# KiCad board pandore.kicad_pcb (continued)
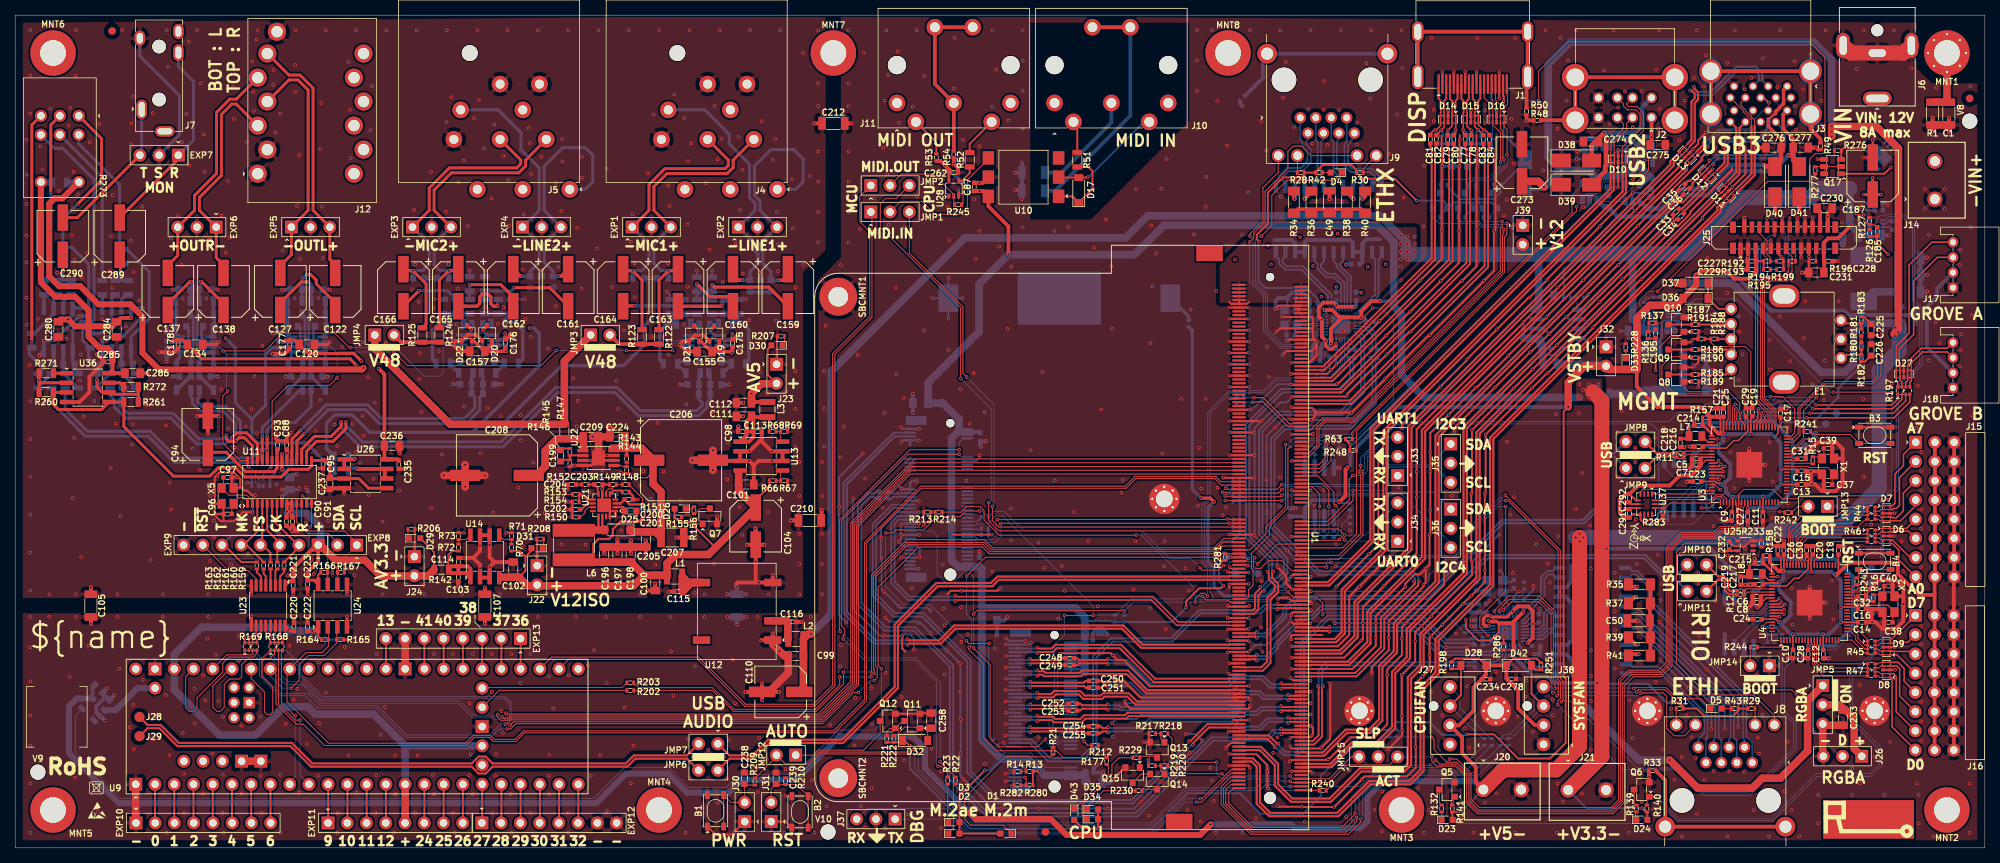
[diagram p0: board, top side]
## Nets (continued)
/Internal Ethernet/PAIR1-: J8.4 T2.18
/Internal Ethernet/PAIR2+: J8.5 T2.19
/Internal Ethernet/PAIR2-: J8.6 T2.20
/Internal Ethernet/PAIR3+: J8.7 T2.23
/Internal Ethernet/PAIR3-: J8.8 T2.24
/M.2/AE.PET0+: C256.1 J19.35
/M.2/AE.PET0-: C257.1 J19.37
/M.2/M.PET0+: C255.1 J13.49
/M.2/M.PET0-: C254.1 J13.47
/M.2/M.PET1+: C253.1 J13.37
/M.2/M.PET1-: C252.1 J13.35
/M.2/M.PET2+: C251.1 J13.25
/M.2/M.PET2-: C250.1 J13.23
/M.2/M.PET3+: C249.1 J13.13
/M.2/M.PET3-: C248.1 J13.11
/Mgmt MCU/ENC.A: C226.1 R182.1 U3.39
/Mgmt MCU/ENC.B: C225.1 R183.1 U3.38
/Mgmt MCU/ENC.BLUE: Q10.1 R191.1 U3.58
/Mgmt MCU/ENC.BTN: R184.1 R188.2 U3.40
/Mgmt MCU/ENC.GREEN: Q9.1 R190.1 U3.57
/Mgmt MCU/ENC.RED: Q8.1 R189.1 U3.54
/Mgmt MCU/GROVEA.PRIM: R197.1 U3.52
/Mgmt MCU/GROVEA.SEC: R197.2 U3.49
/Mgmt MCU/GROVEA.V+: J17.3 PTC1.2
/Mgmt MCU/GROVEB.PRIM: R197.3 U3.48 U3.56
/Mgmt MCU/GROVEB.SEC: R197.4 U3.47 U3.55
/Mgmt MCU/GROVEB.V+: J18.3 PTC2.2
/Mgmt MCU/IMU.IRQ1: U3.79 U37.4
/Mgmt MCU/IMU.IRQ2: U3.4 U37.9
/Mgmt MCU/IMU.MISO: U3.1 U37.1
/Mgmt MCU/IMU.MOSI: U3.80 U37.14
/Mgmt MCU/IMU.SCK: U3.3 U37.13
/Mgmt MCU/IMU.~{SS}: R283.2 U3.2 U37.12
/Mgmt MCU/MCU/__USB.D+: R11.3 U3.67
/Mgmt MCU/MCU/__USB.D-: R11.4 U3.66
/Mgmt MCU/MCU/_USB.D+: JMP9.2 R11.2
/Mgmt MCU/MCU/_USB.D-: JMP8.2 R11.1
/Mgmt MCU/MCU/GPIO0: R236.1 U3.77
/Mgmt MCU/MCU/GPIO1: U3.78
/Mgmt MCU/MCU/GPIO12: U3.11
/Mgmt MCU/MCU/GPIO13: U3.12
/Mgmt MCU/MCU/GPIO14: U3.13
/Mgmt MCU/MCU/GPIO16: U3.16
/Mgmt MCU/MCU/GPIO17: U3.17
/Mgmt MCU/MCU/GPIO18: U3.18
/Mgmt MCU/MCU/GPIO19: U3.19
/Mgmt MCU/MCU/GPIO20: U3.20
/Mgmt MCU/MCU/GPIO21: U3.21
/Mgmt MCU/MCU/GPIO22: U3.22
/Mgmt MCU/MCU/GPIO23: U3.23
/Mgmt MCU/MCU/GPIO24: U3.25
/Mgmt MCU/MCU/GPIO25: U3.26
/Mgmt MCU/MCU/GPIO26: U3.27
/Mgmt MCU/MCU/GPIO27: U3.28
/Mgmt MCU/MCU/GPIO28: U3.36
/Mgmt MCU/MCU/GPIO29: U3.37
/Mgmt MCU/MCU/GPIO42: U3.53
/Mgmt MCU/MCU/QSPI.D0: U3.72 U5.5
/Mgmt MCU/MCU/QSPI.D1: U3.74 U5.2
/Mgmt MCU/MCU/QSPI.D2: U3.73 U5.3
/Mgmt MCU/MCU/QSPI.D3: U3.70 U5.7
/Mgmt MCU/MCU/QSPI.SCK: U3.71 U5.6
/Mgmt MCU/MCU/QSPI.~{CS}: R231.1 R236.2 R238.2 U5.1
/Mgmt MCU/MCU/VCORE: C27.2 C29.2 C31.2 C218.2 L7.2 U3.10 U3.32 U3.51 U3.65
/Mgmt MCU/RGBA.D: R233.1 U3.14 U25.2
/Mgmt MCU/RGBA.O: J26.2 U25.4
/Mgmt MCU/SDISP.MOSI: J25.14 R199.2 U3.44
/Mgmt MCU/SDISP.SCK: J25.13 U3.43
/Mgmt MCU/SDISP.~{LATCH}: J25.10 U3.46
/Mgmt MCU/SDISP.~{RST}: J25.9 U3.45
/Mgmt MCU/SDISP.~{SS}: J25.8 U3.42
/MIDI/MIDI.RX: JMP1.2 U10.4
/MIDI/MIDI.TX: JMP2.2 R245.1 U28.2
/Real-Time MCU/MCU/__USB.D+: R12.3 U4.67
/Real-Time MCU/MCU/__USB.D-: R12.4 U4.66
/Real-Time MCU/MCU/_USB.D+: JMP11.2 R12.2
/Real-Time MCU/MCU/_USB.D-: JMP10.2 R12.1
/Real-Time MCU/MCU/GPIO0: R237.1 U4.77
/Real-Time MCU/MCU/GPIO1: U4.78
/Real-Time MCU/MCU/GPIO2: U4.79
/Real-Time MCU/MCU/GPIO3: U4.80
/Real-Time MCU/MCU/GPIO4: U4.1
/Real-Time MCU/MCU/GPIO5: U4.2
/Real-Time MCU/MCU/GPIO6: U4.3
/Real-Time MCU/MCU/GPIO7: U4.4
/Real-Time MCU/MCU/GPIO8: U4.6
/Real-Time MCU/MCU/GPIO9: U4.7
/Real-Time MCU/MCU/GPIO10: U4.8
/Real-Time MCU/MCU/GPIO11: U4.9
/Real-Time MCU/MCU/GPIO16: U4.16
/Real-Time MCU/MCU/GPIO17: U4.17
/Real-Time MCU/MCU/GPIO18: U4.18
/Real-Time MCU/MCU/GPIO19: U4.19
/Real-Time MCU/MCU/GPIO24: U4.25
/Real-Time MCU/MCU/GPIO25: U4.26
/Real-Time MCU/MCU/GPIO26: U4.27
/Real-Time MCU/MCU/GPIO27: U4.28
/Real-Time MCU/MCU/GPIO28: U4.36
/Real-Time MCU/MCU/GPIO29: U4.37
/Real-Time MCU/MCU/GPIO30: U4.38
/Real-Time MCU/MCU/GPIO31: U4.39
/Real-Time MCU/MCU/GPIO32: U4.40
/Real-Time MCU/MCU/GPIO33: U4.42
/Real-Time MCU/MCU/GPIO34: U4.43
/Real-Time MCU/MCU/GPIO35: U4.44
/Real-Time MCU/MCU/GPIO36: U4.45
/Real-Time MCU/MCU/GPIO37: U4.46
/Real-Time MCU/MCU/GPIO38: U4.47
/Real-Time MCU/MCU/GPIO39: U4.48
/Real-Time MCU/MCU/QSPI.D0: U4.72 U6.5
/Real-Time MCU/MCU/QSPI.D1: U4.74 U6.2
/Real-Time MCU/MCU/QSPI.D2: U4.73 U6.3
/Real-Time MCU/MCU/QSPI.D3: U4.70 U6.7
/Real-Time MCU/MCU/QSPI.SCK: U4.71 U6.6
/Real-Time MCU/MCU/QSPI.~{CS}: R232.1 R237.2 R239.2 U6.1
/Real-Time MCU/MCU/VCORE: C28.2 C30.2 C32.2 C219.2 L8.2 U4.10 U4.32 U4.51 U4.65
/Real-Time MCU/RTIO.AIO0: R46.4 U4.49
/Real-Time MCU/RTIO.AIO1: R46.3 U4.52
/Real-Time MCU/RTIO.AIO2: R46.2 U4.53
/Real-Time MCU/RTIO.AIO3: R46.1 U4.54
/Real-Time MCU/RTIO.AIO4: R44.4 U4.55
/Real-Time MCU/RTIO.AIO5: R44.3 U4.56
/Real-Time MCU/RTIO.AIO6: R44.2 U4.57
/Real-Time MCU/RTIO.AIO7: R44.1 U4.58
/Real-Time MCU/RTIO.DIO0: R47.4 U4.11
/Real-Time MCU/RTIO.DIO1: R47.3 U4.12
/Real-Time MCU/RTIO.DIO2: R47.2 U4.13
/Real-Time MCU/RTIO.DIO3: R47.1 U4.14
/Real-Time MCU/RTIO.DIO4: R45.4 U4.20
/Real-Time MCU/RTIO.DIO5: R45.3 U4.21
/Real-Time MCU/RTIO.DIO6: R45.2 U4.22
/Real-Time MCU/RTIO.DIO7: R45.1 U4.23
/USB ports/_USB3HIGH.SSTX+: C36.1 D12.4 J3.18
/USB ports/_USB3HIGH.SSTX-: C35.1 D12.5 J3.17
/USB ports/_USB3LOW.SSTX+: C34.1 D12.1 J3.9
/USB ports/_USB3LOW.SSTX-: C33.1 D12.2 J3.8
/USB ports/USB2H.VUSB: C268.2 C275.2 D39.2 J2.1 U30.1
/USB ports/USB2L.VUSB: C266.2 C274.2 D38.2 J2.5 U29.1
/USB ports/USB3H.VUSB: C272.2 C277.2 D41.2 J3.10 U32.1
/USB ports/USB3L.VUSB: C270.2 C276.2 D40.2 J3.1 U31.1
EARTH: C1.2 MNT1.1 R1.1
VPHANTOM: JMP3.1 JMP4.1 R147.2
VSTBY: C2.2 C3.2 C5.2 C7.2 C9.2 C11.2 C13.2 C15.2 C17.2 C19.2 C21.2 C23.2 C25.2 C216.2 C227.2 C229.2 C291.2 C292.2 D32.1 D33.A D34.A D35.A D36.2 D43.A J25.5 J32.2 PTC1.1 PTC2.1 R8.1 R9.1 R157.2 R180.1 R181.1 R192.1 R193.1 R221.1 R222.1 R227.2 R231.2 R246.1 R283.1 U2.8 U3.5 U3.15 U3.24 U3.29 U3.41 U3.50 U3.59 U3.60 U3.64 U3.68 U3.69 U3.76 U5.8 U37.5 U37.8
Net-(B1-Pad3): B1.3 B1.4 C238.2 J30.2 R209.1
Net-(B2-Pad3): B2.3 B2.4 C239.2 J31.2 R210.1
Net-(B3-Pad3): B3.3 B3.4 R241.1
Net-(B4-Pad3): B4.3 B4.4 R243.1
Net-(BAT1-+): BAT1.1 R284.2
Net-(C39-Pad2): C39.2 R15.2 X1.1
Net-(C40-Pad2): C40.2 R16.2 X2.1
Net-(C49-Pad2): C49.2 R34.2 R36.2 R38.2 R40.2
Net-(C50-Pad2): C50.2 R35.2 R37.2 R39.2 R41.2
Net-(C94-+): C93.2 C94.1 U11.22
Net-(C167-Pad1): C167.1 C168.1 C169.2
Net-(C170-Pad1): C170.1 C171.2 C172.1
Net-(C180-Pad2): C180.2 C181.2 C182.2 C185.2 L4.2 R126.1 R131.1
Net-(C183-Pad2): C183.2 R128.2
Net-(C190-Pad2): C190.2 R135.2
Net-(C192-Pad2): C192.2 C193.2 C194.2 C195.2 L5.2 R136.1 R138.1
Net-(C204-Pad2): C204.2 R152.2
Net-(C233-Pad2): C233.2 J26.1 JMP5.2
Net-(D1-PadC): D1.C R21.2
Net-(D2-PadC): D2.C R22.2
Net-(D3-PadC): D3.C R23.2
Net-(D4-PadA): D4.A R42.1
Net-(D5-PadA): D5.A R43.1
Net-(D6-Pad1): D6.1 J15.13 R46.8
Net-(D6-Pad2): D6.2 J15.16 R46.7
Net-(D6-Pad4): D6.4 J15.19 R46.6
Net-(D6-Pad5): D6.5 J15.22 R46.5
Net-(D7-Pad1): D7.1 J15.1 R44.8
Net-(D7-Pad2): D7.2 J15.4 R44.7
Net-(D7-Pad4): D7.4 J15.7 R44.6
Net-(D7-Pad5): D7.5 J15.10 R44.5
Net-(D8-Pad1): D8.1 J16.22 R47.5
Net-(D8-Pad2): D8.2 J16.19 R47.6
Net-(D8-Pad4): D8.4 J16.16 R47.7
Net-(D8-Pad5): D8.5 J16.13 R47.8
Net-(D9-Pad1): D9.1 J16.10 R45.5
Net-(D9-Pad2): D9.2 J16.7 R45.6
Net-(D9-Pad4): D9.4 J16.4 R45.7
Net-(D9-Pad5): D9.5 J16.1 R45.8
Net-(D17-A): D17.2 J10.5 U10.2
Net-(D17-C): D17.1 R51.2 U10.1
Net-(D18-C): D18.1 J1.18 R58.1 R60.1 R62.1
Net-(D23-PadC): D23.C R132.2
Net-(D24-PadC): D24.C R139.2
Net-(D25-A): D25.2 L6.2 U21.13 U21.14
Net-(D26-PadC): D26.C R156.2
Net-(D28-A): D28.2 J27.3 R198.2 R200.2
Net-(D29-PadC): D29.C R206.2
Net-(D30-PadC): D30.C R207.2
Net-(D31-PadC): D31.C R208.2
Net-(D32-A): C258.2 D32.2 Q11.1 R222.2
Net-(D33-PadC): D33.C R228.2
Net-(D34-PadC): D34.C R229.2
Net-(D35-PadC): D35.C R230.2
Net-(D36-C): D36.1 D37.1 E1.5
Net-(D42-A): D42.2 J38.3 R249.2 R251.2
Net-(D43-PadC): D43.C R177.1
Net-(E1-EA): E1.A R180.2 R182.2
Net-(E1-EB): E1.B R181.2 R183.2
Net-(E1-LB): E1.4 R187.2
Net-(E1-LG): E1.2 R186.2
Net-(E1-LR): E1.1 R185.2
Net-(E1-SO): E1.3 R188.1
Net-(J1-CEC): D16.5 J1.13
Net-(J1-DDC.CLK): D16.4 J1.15 Q2.3 R58.2
Net-(J1-DDC.DATA): D16.2 J1.16 Q3.3 R60.2
Net-(J1-HotPlugDetect): D16.1 J1.19 Q4.3 R62.2
Net-(J1-SHD): J1.0 R50.2
Net-(J2A-SHD): J2.9 R48.2
Net-(J3A-SHD): J3.19 R49.2
Net-(J6-TIP): J6.1 J14.2 Q16.5 Q16.6 Q16.7 Q16.8 Q16.9 Q17.1
Net-(J8-LEDL_A): J8.AL R31.2
Net-(J8-LEDL_C): J8.CL U8.25
Net-(J8-LEDR_A): J8.AR R29.2
Net-(J8-LEDR_C): J8.CR U8.26
Net-(J8-SHD): J8.SH R33.2
Net-(J9-LEDL_A): J9.AL R30.2
Net-(J9-LEDL_C): J9.CL U7.25
Net-(J9-LEDR_A): J9.AR R28.2
Net-(J9-LEDR_C): J9.CR U7.26
Net-(J9-SHD): J9.SH R32.2
Net-(J10-CSRC): J10.4 R51.1
Net-(J10-GND): C85.1 J10.G
Net-(J10-SHIELD): C86.1 J10.2
Net-(J11-CSINK): J11.4 R53.1
Net-(J11-CSRC): J11.5 R52.1
Net-(J11-GND-Pad2): J11.2 J11.G R54.2
Net-(J13-CFG1): J13.69 R13.2 R14.1
Net-(J13-PE.~{CLKREQ}): J13.52 R212.1
Net-(J13-SUSCLK): J13.68 R279.2
Net-(J13-VIOCFG): J13.73 R280.2 R282.2
Net-(J13-~{LED1}): J13.10 R21.1
Net-(J17-D0): D27.1 J17.1 R197.8
Net-(J17-D1): D27.2 J17.2 R197.7
Net-(J18-D0): D27.4 J18.1 R197.6
Net-(J18-D1): D27.5 J18.2 R197.5
Net-(J19-PE.~{CLKREQ0}): J19.53 R213.1 R214.2
Net-(J19-SUSCLK): J19.50 R278.2
Net-(J19-~{LED1}): J19.6 R22.1
Net-(J19-~{LED2}): J19.16 R23.1
Net-(J19-~{W_DISABLE1}): J19.56 R215.2
Net-(J19-~{W_DISABLE2}): J19.54 R216.2
Net-(J25-BS1): J25.6 R192.2 R194.2
Net-(J25-BS2): J25.7 R193.2 R195.2
Net-(J25-D2): J25.15 R199.1
Net-(J25-IREF): J25.21 R196.2
Net-(J25-VCOMH): C230.2 J25.22
Net-(J27-Pad4): J27.4 R201.2
Net-(J38-Pad4): J38.4 R250.2
Net-(JMP3-Pad2): JMP3.2 R122.2 R123.2
Net-(JMP4-Pad2): JMP4.2 R124.2 R125.2
Net-(JMP13-Pad2): JMP13.2 R242.1
Net-(JMP14-Pad2): JMP14.2 R244.1
Net-(Q1-D): Q1.3 R55.1 R55.2 R55.3 R55.4 R56.1 R56.2 R56.3 R56.4
Net-(Q1-G): Q1.1 R176.2
Net-(Q5-D): Q5.3 R132.1
Net-(Q5-G): Q5.1 R141.2 U19.5
Net-(Q6-D): Q6.3 R139.1
Net-(Q6-G): Q6.1 R140.2 U20.5
Net-(Q7-D): Q7.3 R156.1
Net-(Q7-G): Q7.1 R155.2 U21.4
Net-(Q8-D): Q8.3 R185.1
Net-(Q9-D): Q9.3 R186.1
Net-(Q10-D): Q10.3 R187.1
Net-(Q11-D): Q11.3 Q12.1 R221.2
Net-(Q12-D): JMP12.1 Q12.3
Net-(Q13-D): Q13.3 Q15.1 R229.1
Net-(Q13-G): Q13.1 R217.1 R218.2
Net-(Q14-D): Q14.3 R230.1
Net-(Q14-G): Q14.1 R219.1 R220.2
Net-(Q14-S): Q14.2 Q15.3
Net-(Q16-G): Q16.4 Q17.3 R276.1
Net-(Q17A-B1): Q17.2 Q17.5 Q17.6 R277.1
Net-(R169-Pad7): R169.7 R171.6
Net-(R169-Pad8): R169.8 R171.5
Net-(R264-Pad1): R264.1 R273.2
Net-(R269-Pad1): R269.1 R273.5
Net-(T1A-TCT): C51.2 T1.3 T1.4 T1.9 T1.10
Net-(T1A-TXCT): R40.1 T1.22
Net-(T1B-RXCT): R38.1 T1.21
Net-(T1C-TXCT): R36.1 T1.16
Net-(T1D-RXCT): R34.1 T1.15
Net-(T2A-TCT): C52.2 T2.3 T2.4 T2.9 T2.10
Net-(T2A-TXCT): R41.1 T2.22
Net-(T2B-RXCT): R39.1 T2.21
Net-(T2C-TXCT): R37.1 T2.16
Net-(T2D-RXCT): R35.1 T2.15
Net-(U1A-TCP0_HPD): R211.1 U1.187
Net-(U1A-TCP1_HPD): R285.1 U1.185
Net-(U1A-~{PROCHOT}): R177.2 U1.117
Net-(U1B-VBAT): R284.1 U1.115
Net-(U3A-VREG.AVDD): C214.2 R157.1 U3.61
Net-(U3A-VREG.LX): L7.1 U3.63
Net-(U3B-QSPI.~{SS}²(PU)|F0:QMI.~{CS0}): R234.2 R238.1 U3.75
Net-(U3B-SWCLK¹): TP1.1 U3.33
Net-(U3B-SWDIO¹): TP3.1 U3.34
Net-(U3B-XIN): C37.2 U3.30 X1.3
Net-(U3B-XOUT): R15.1 U3.31
Net-(U4A-VREG.AVDD): C215.2 R158.1 U4.61
Net-(U4A-VREG.LX): L8.1 U4.63
Net-(U4B-QSPI.~{SS}²(PU)|F0:QMI.~{CS0}): R235.2 R239.1 U4.75
Net-(U4B-SWCLK¹): TP2.1 U4.33
Net-(U4B-SWDIO¹): TP4.1 U4.34
Net-(U4B-XIN): C38.2 U4.30 X2.3
Net-(U4B-XOUT): R16.1 U4.31
Net-(U7-CKXTAL1): C74.2 R24.2 U7.28 X3.3
Net-(U7-CKXTAL2): C73.2 R24.1 U7.29 X3.1
Net-(U7-LED0): D4.C U7.27
Net-(U7-RSET): R26.2 U7.31
Net-(U7-~{ISOLATE}): R19.1 U7.20
Net-(U8-CKXTAL1): C76.2 R25.2 U8.28 X4.3
Net-(U8-CKXTAL2): C75.2 R25.1 U8.29 X4.1
Net-(U8-LED0): D5.C U8.27
Net-(U8-RSET): R27.2 U8.31
Net-(U8-~{ISOLATE}): R20.1 U8.20
Net-(U9-ON/OFF): R203.1 U9.53
Net-(U9-~{PROGRAM}): R202.1 U9.52
Net-(U11-AD0): R64.2 R65.1 U11.13
Net-(U11-XTI): C97.2 U11.2 X5.3
Net-(U11-XTO): C96.2 U11.1 X5.1
Net-(U12-VIN+): C116.2 L2.2 U12.3
Net-(U12-VOUT+): C115.2 L1.1 U12.8
Net-(U13-EN): R66.2 R67.1 U13.5
Net-(U13-FB): R68.2 R69.1 U13.8
Net-(U13-OUT): C98.2 C111.2 C113.2 L3.1 R68.1 U13.1
Net-(U14-EN): R70.2 R71.1 U14.5
Net-(U14-FB): R72.2 R73.1 U14.8
Net-(U14-OUT): C103.2 C114.2 R72.1 R142.1 U14.1
Net-(U19-BST): C179.1 U19.6
Net-(U19-COMP): C184.2 R128.1 U19.4
Net-(U19-FB): C185.1 R126.2 R127.1 U19.3
Net-(U19-NC(SW)): C179.2 L4.1 U19.7 U19.9
Net-(U20-BST): C189.1 U20.6
Net-(U20-COMP): C191.2 R135.1 U20.4
Net-(U20-FB): C195.1 R136.2 R137.1 U20.3
Net-(U20-NC(SW)): C189.2 L5.1 U20.7 U20.9
Net-(U21-COMP): C203.2 R152.1 U21.8
Net-(U21-EN_UVLO_SYNC): R148.2 R149.1 U21.6
Net-(U21-FB): R153.2 R154.1 U21.9
Net-(U21-MODE): R150.1 U21.11
Net-(U21-RT): R151.1 U21.5
Net-(U21-SS): C202.2 U21.10
Net-(U21-VCC): C201.2 U21.2
Net-(U22-EN): R143.2 R144.1 U22.5
Net-(U22-FB): C199.1 R145.2 R146.1 U22.2
Net-(U23-INA): R159.1 U23.2
Net-(U23-INB): R160.1 U23.3
Net-(U23-INC): R161.1 U23.4
Net-(U23-IND): R162.1 U23.5
Net-(U23-INE): R169.5 R171.8 U23.11
Net-(U23-INF): R169.6 R171.7 U23.10
Net-(U23-OUTA): R168.5 R170.8 U23.15
Net-(U23-OUTB): R168.6 R170.7 U23.14
Net-(U23-OUTC): R168.7 R170.6 U23.13
Net-(U23-OUTD): R168.8 R170.5 U23.12
Net-(U23-OUTE): R163.1 U23.6
Net-(U26A-IN-): R204.1 U26.1 U26.2
Net-(U26B-IN-): R205.1 U26.6 U26.7
Net-(U27-EN): R223.2 R224.1 U27.5
Net-(U27-FB): R225.2 R226.1 U27.8
Net-(U27-OUT): C260.2 C261.2 R225.1 R227.1 U27.1
Net-(U28A-Y): R52.2 R245.2 U28.4
Net-(U33-OUT): C263.2 U9.59 U33.1
Net-(U34A-IN+): C282.1 R252.2 R255.2 U34.3
Net-(U34A-IN-): C281.2 R253.1 R254.2 U34.2
Net-(U34A-OUT): C281.1 R253.2 R273.1 R274.1 U34.1
Net-(U34A-V+): C279.2 C280.2 C283.2 C284.2 C285.2 C286.2 R273.8 R275.1 U34.8 U35.8 U36.8
Net-(U34B-IN+): R264.2 U34.5
Net-(U34B-IN-): R262.1 R263.2 U34.6
Net-(U34B-OUT): R265.1 U34.7
Net-(U35A-IN+): C287.1 R257.2 R258.2 U35.3
Net-(U35A-IN-): C288.2 R256.2 R259.1 U35.2
Net-(U35A-OUT): C288.1 R259.2 R270.1 R273.4 U35.1
Net-(U35B-IN+): R269.2 U35.5
Net-(U35B-IN-): R266.2 R267.1 U35.6
Net-(U35B-OUT): R268.1 U35.7
Net-(U36A-IN-): C282.2 R252.1 R260.2 R263.1 R271.2 R273.3 U36.2
Net-(U36A-OUT): R271.1 U36.1
Net-(U36B-IN-): C287.2 R258.1 R261.2 R266.1 R272.2 R273.6 U36.6
Net-(U36B-OUT): R272.1 U36.7

Pads without a net: J1 14; J4 RS SS TS; J5 RS SS TS; J7 RS TS; J10 1 3; J11 1 3; J12 RSB RST SSB SST TSB TST; J13 6 8 20 22 24 26 28 30 34 36 40 42 44 46 48 56 58 67; J19 17 19 20 21 22 23 32 34 36 38 40 42 44 46 48 59 61 62 64 65 66 67 68 70 71 73; J25 4; R169 1 2; R171 3 4; U1 9 91 93 104 106 108 127 145 147 149 157 172 173 174 175 176 177 178 179 180 184 186 190 191 192 193 196 198 202 204 208 210 214 216 220 221 222 223 226 227 228 229 232 233 234 235 238 239 240 241 244 245 246 247 MP; U9 25 36 37 38 39 48 49 54 55 56 60 61 62 64 65; U10 3; U12 14; U21 12 15; U25 1; U28 1; U33 3; U37 2 3 10 11

## Via types
v1: diameter 0.458, hole 0.254, Top to Bottom, 2215 vias
v2: diameter 0.5, hole 0.254, Top to Bottom, 2 vias

## Routing (per net, layer and track width the routed paths; a pad name or vN(x,y) marks a point on that pad's centre or on a via; arc(x,y) is an arc through that point)
AV3P3: length 56.1
  Top w0.25: U24.8 40,36.05 R166.1 ; R142.2 55.3,39.07 D29.A ; 43.43,38 43.45,37.98 R167.1
  Top w0.4: C221.2 36.22,35.25 U23.1 ; v1(36.52,44.32) 36.41,44.42 v1(35.87,44.42) ; v1(36.52,44.32) U11.10 U11.9 35.87,43.72 ; v1(36.52,44.32) 36.52,43.77 ; C223.2 39.45,35.35 U24.8
  Top w0.5: C223.2 38.6,36.45 40,37.85 EXP9.1 39.75,40 36.7,36.95 C221.2
  Top w1: R142.2 54.47,35.92 48.25,35.92 46.17,38 42.3,38 40.3,40 EXP9.1
  Bottom w0.25: R64.1 36.27,45.35 C92.2
  Bottom w0.4: v1(35.87,44.42) 35.87,44.94 C92.2 36.52,45.05 v1(36.52,44.32)
  Bottom w1: 40.3,40 40.3,42.4 38.5,44.2 35.9,44.2
AV5: length 240.5
  Top w0.25: D30.A 99.32,65.87 99.32,62.52 J23.2
  Top w0.4: 20.85,67.05 v1(20.63,66.83) 20.85,67.05 ; 20.85,67.05 C178.2 ; 20.85,67.05 C178.2 ; C178.2 22.2,67.05 ; C178.2 22.2,67.05 ; 22.2,67.05 C134.2 ; 22.2,67.05 C134.2 ; C88.2 35.94,52.57 35.94,52.52 35.87,52.44 U11.20 ; C134.2 22.75,66.45 24.6,64.6 44.21,64.6 v1(45.06,63.75) ; v1(45.69,64.31) 44.7,65.3 38.7,65.3 C120.2 36.95,67.05 C177.2 35.6,67.05 v1(35.38,66.83)
  Top w0.45: D22.2 60.5,67 61.9,65.6 C157.2 62.95,66.55 D20.2 ; 92,65.6 92.05,65.55 94.45,65.55 v1(94.6,65.4) 94.6,65.57 94.68,65.64 94.68,66.08 C175.2 ; C176.2 64.68,66.13 64.68,65.69 64.77,65.6 v1(64.8,65.6) 62.05,65.6 62,65.65 ; D19.2 92.95,66.5 C155.2 91.9,65.55 90.5,66.95 D21.2
  Top w0.5: C235.2 50.49,51.32 U26.8 48.74,51.62 C236.2 48.74,62.56 v1(48,63.3) ; C112.2 97.3,58.9 L3.2
  Top w0.8: R273.7 6.25,85.8 5.2,85.8 4.5,85.1 4.5,75.5 5.8,74.2 8.6,74.2 11,71.8 15.2,71.8 16.8,70.2 16.8,65.4 19,63.2 45.8,63.2 v1(46,63.4)
  Top w1: C112.2 v1(97.2,60) 98.52,61.32 100.5,61.32
  In1.Cu w0.45: 94.8,63.68 94.6,63.88 v1(94.6,65.4) ; v1(64.8,65.6) 64.8,63.7 64.82,63.68
  In1.Cu w1: 45.66,63.68 45.66,61.51 40.86,56.71 40.86,54.03 38.97,52.14 36.16,52.14
  In1.Cu w2: v1(97.2,60) 97.2,61.28 94.8,63.68 45.66,63.68
  Bottom w0.25: C89.2 35.04,50.92 34.44,50.32 34.44,49.62 R106.1 R108.1
  Bottom w0.4: 20.12,66.83 C133.2 20.12,66.83 ; 20.12,66.83 U16.3 20.12,66.83 ; U15.3 34.88,66.83 C119.2
  Bottom w0.45: U17.3 94.53,66.38 C140.2 94.7,65.65 94.6,65.55 v1(94.6,65.4) ; U18.3 64.53,66.42 C156.2 64.7,65.7 v1(64.8,65.6)
  Bottom w0.5: 35.92,52.15 35.92,51.24 C89.2
  Bottom w0.8: R273.7 8.35,87.9 R275.2
  vias: v1(35.88,52.15)
AVSS: length 323.7
  Top w0.25: 27.5,43.15 27.15,43.15 26.35,43.95 26.35,44.1 ; 27.5,43.15 C96.1 ; 27.5,43.15 28.85,43.15 30.05,44.35 v1(31.35,44.35) ; 29.7,47.75 30.25,47.2 30.6,47.2 31.21,46.59 v1(31.65,46.59) ; 29.7,47.75 29.5,47.55 X5.2 28.6,47.8 C97.1 ; 29.7,47.75 29.7,48.75 29.3,49.15 ; J23.1 100.57,63.95 100.57,67.52 R207.1 ; U22.4 73.4,50.53 R146.2 ; v1(59.24,41.61) 58.54,41.61 R73.2 ; 26.35,45.45 26.35,44.1 ; 26.35,45.45 X5.4 27.5,45.2 C96.1 ; 26.35,45.45 26.35,49.01 26.91,49.57 28.55,49.57 ; 26.35,44.1 C96.1 ; R206.1 52.75,38.53 J24.1 ; C97.1 28.6,49.52 28.55,49.57 ; C97.1 29.09,48.94 29.3,49.15 ; 28.55,49.57 28.88,49.57 29.3,49.15 ; R144.2 80.15,49.45 v1(80,49.6) ; v1(73,47.3) 72.95,47.35 C204.1 ; v1(101.9,55.7) 101.95,55.65 R69.2 ; R67.2 101.95,47.95 v1(102,47.9) ; J22.1 68.9,40.75 R208.1 ; 77.25,54.55 C209.1 ; R71.2 64.83,41.62 v1(64.81,41.6)
  Top w0.3: C201.1 v1(82,43.7) ; R149.2 C203.1 77.5,47.95 v1(77.5,47.4) U21.7 77.5,45.5 U21.17 78.5,44.5 ; C202.1 v1(72.8,44.7) ; C202.1 73.55,44.8 R154.2 v1(73,45.7) ; C202.1 73.45,44.5 73.55,44.4 R150.2 ; 78.5,44.5 U21.16 79.08,43.78 v1(79.2,43.9) 79.22,43.92 U21.1 78.5,44.5 ; v1(82.2,46) 82.17,46.03 C200.1 81.55,46.5 R151.2
  Top w0.35: U22.3 76.67,51.17 U22.9 ; U22.9 77.32,51.18 U22.6 ; U22.9 76.03,50.53 U22.4 ; U22.9 77.33,51.83 U22.7
  Top w0.4: v1(31.2,33.5) 31.18,33.52 U23.8 ; v1(26.89,66.82) 26.57,66.5 26.5,66.5 ; v1(39.88,50.11) 39.9,50.13 C95.1 ; v1(41.61,66.86) 41.25,66.5 C120.1 ; U11.8 35.22,46.41 v1(35.23,46.42) ; 26.5,66.5 C134.1 26.5,66.5 ; v1(43.8,33.5) 43.8,33.5 U24.5 ; v1(35.24,52.02) 35.22,52 U11.21 35.22,50.05 v1(35.24,50.02) ; v1(34.41,54.69) 34.41,54 C93.1 C88.1 35.84,54.17 36.12,54.45 36.12,54.53 v1(36.43,54.84) ; C221.1 v1(36.7,33.5) ; C223.1 v1(38.6,33.5)
  Top w0.45: C176.1 64.75,67.3 64.89,67.3 65.32,67.73 65.32,67.82 v1(65.4,67.9) ; C90.1 35.87,42.55 v1(36.54,41.88) 36.56,41.86 v1(37.34,41.86) 37.29,41.86 C91.1 ; D19.1 90.87,67.73 89.73,67.73 D21.1 88.16,66.95 v1(87.7,66.49) 88.65,65.55 C155.1 ; v1(95.4,67.85) 95.32,67.77 95.32,67.68 94.89,67.25 94.75,67.25 C175.1 ; C157.1 58.65,65.6 v1(57.7,66.54) 58.16,67 D22.1 59.73,67.78 60.87,67.78 D20.1
  Top w0.5: U13.3 92.18,51.11 C206.2 ; U13.3 U13.2 v1(96.94,52.39) 98.55,54 ; U13.3 v1(96.89,51.11) 97.5,50.5 ; 97.75,37.75 C104.2 ; C104.2 98.85,40.05 v1(98.9,40) ; C104.2 97.75,42.15 v1(97.7,42.2) ; C104.2 96.65,40.05 v1(96.6,40) ; v1(81.3,38.9) 81.25,38.95 C198.1 81.25,40.55 v1(81.3,40.6) ; C105.1 v1(10,34.4) ; v1(83.4,34) C100.1 v1(84.5,34.9) ; 60.47,38.3 61.36,37.41 U14.2 U14.3 v1(62.64,37.11) 63.27,37.75 ; 60.47,38.3 61.36,39.19 U14.7 U14.6 62.64,38.39 63.27,37.75 ; 60.47,38.3 C114.1 ; v1(24.04,57.02) 24.09,57.07 C94.2 ; C111.1 v1(96.1,57) ; C98.1 95.45,55.64 v1(95.48,55.67) ; C112.1 v1(96.1,58.8) ; C286.1 v1(17.5,62.7) ; v1(87.3,41) C207.1 v1(89.2,41) ; v1(79.5,40.7) C197.1 v1(79.5,38.9) ; C212.1 v1(105.5,95.7) ; 97.7,35.05 97.75,35.1 v1(97.75,37.8) ; 97.7,35.05 95.35,35.05 95.2,34.9 v1(95.2,34.5) ; 97.7,35.05 U12.7 v1(100,36) ; 63.27,37.75 C102.1 ; U36.4 8.5,58.9 9.8,60.2 9.8,62.25 C285.1 11.75,64.25 v1(10.8,65.2) ; v1(77.8,38.9) 77.75,38.95 C196.1 ; v1(86.3,33.8) 86.35,33.85 C115.1 ; v1(83.3,38.8) 83.25,38.85 C205.1 83.25,40.55 v1(83.2,40.6) ; 98.55,54 C113.1 ; 98.55,54 98.55,53.69 v1(99.87,52.37) 99.89,52.39 U13.7 U13.6 98.11,51.11 97.5,50.5 ; v1(19,65.5) 19.03,65.47 21.02,65.47 C178.1 ; 97.5,50.5 C101.1 ; C103.1 v1(58.5,34.47) ; C107.1 v1(62,34.4) ; C210.1 102.45,43.25 v1(102.4,43.2) ; C177.1 35.55,65.25 v1(34,65.25) ; C236.1 v1(50.74,52.12) ; C94.2 v1(25.44,54.72) ; C94.2 26.84,57.07 v1(26.89,57.02) ; Q7.2 92.65,43.65 v1(92.7,43.7) ; v1(51.44,50.12) 51.39,50.07 C235.1 ; v1(43.44,46.82) U26.4 41.69,47.52 C237.1 40.69,47.37 v1(40.64,47.32)
  Top w1: C208.2 v1(59.4,47.7) ; C208.2 v1(62,49.2) ; C208.2 v1(56.6,49.2) ; C208.2 v1(59.4,50.6) ; C206.2 v1(92.1,49.9) ; C206.2 v1(92.1,52.5) ; C206.2 v1(89.4,51.2) ; C209.1 v1(76.2,54.3) ; C209.1 C224.1 v1(78.5,55.4) ; C209.1 U22.9 ; C205.1 C198.1 C197.1 C196.1
  Bottom w0.25: v1(38.38,47.61) 38.62,47.37 R65.2 ; v1(30.62,48.25) 31.24,48.25 ; 31.24,48.25 R107.2 ; 31.24,48.25 R109.2 ; R114.1 v1(92,76.25) ; R117.1 v1(60,76.25) ; v1(86,73.5) 86.5,73 R120.1 ; R118.1 96.45,72.45 v1(96.5,72.5) ; v1(31.65,46.59) 31.35,46.29 v1(31.35,44.35) ; R115.1 v1(62,76.25) ; R121.1 55.3,72.45 v1(55.25,72.5) ; R116.1 v1(90,76.25) ; R119.1 67.2,72.45 v1(67.25,72.5)
  Bottom w0.4: v1(37.2,49.37) 36.67,49.37 36.3,49 36.3,48.98 C89.1 36.24,48.86 ; C279.1 8.45,70.25 v1(8.4,70.2) 5.2,67 v1(3.8,67) ; J7.S 16.45,104.6 21.7,99.35 21.7,94.2 EXP7.2 ; v1(41.61,66.86) 41.57,66.82 U15.6 ; v1(26.89,66.82) U16.6 ; v1(37.5,47.5) 37.32,47.32 C92.1 35.5,46.58 35.39,46.58 v1(35.23,46.42) ; C283.1 14.15,67.5 12,67.5 v1(11.5,67)
  Bottom w0.45: v1(69.6,76.3) 69.5,76.2 C169.1 ; v1(65.6,65.7) 65.6,65.76 65.8,65.96 C156.1 ; C139.2 v1(83.8,75.25) C158.1 ; v1(95.6,65.65) 95.6,65.71 95.8,65.91 C140.1 ; C171.1 98.4,75.85 v1(98.25,76) ; v1(95.4,67.85) 95.75,67.5 95.75,67.32 95.8,67.27 C141.1 ; v1(87.7,66.49) 87.82,66.38 U17.6 ; v1(65.4,67.9) 65.75,67.55 65.75,67.37 65.8,67.32 C148.1 ; U18.6 57.82,66.43 v1(57.7,66.54) ; C146.2 v1(54.9,75.25) C147.1 ; C92.1 35.18,47.32 v1(35.15,47.35)
  Bottom w0.5: C213.1 106.45,95.7 v1(105.5,95.7) ; C117.1 41.2,62.3 v1(41.25,62.25) ; C145.1 87.8,61.2 v1(87.75,61.25) ; v1(34,65.25) 34.3,64.95 C121.1 ; C130.1 v1(20,64.25) ; C125.1 v1(41.5,73.75) ; v1(10.8,65.2) 11,65.2 U35.4 11.5,67 v1(11.5,67) ; C109.1 95.25,34.45 v1(95.2,34.5) ; C109.1 v1(96.5,33.5) ; C109.1 v1(94,33.5) ; C126.2 v1(35.25,73.75) ; v1(3.2,65) 3.2,65.1 U34.4 3.8,67 v1(3.8,67) ; C107.1 v1(62,34.4) ; C144.2 94.2,61.2 v1(94.25,61.25) ; v1(26.75,62.25) 26.7,62.3 C129.1 ; C210.1 102.45,43.25 v1(102.4,43.2) ; C119.1 34.05,68.05 v1(34,68) ; C118.2 35.8,62.3 v1(35.75,62.25) ; C128.2 20.8,62.3 v1(20.75,62.25) ; C151.2 v1(64.25,61.25) ; C152.1 v1(57.75,61.25) ; C133.1 v1(20,68.75) ; C89.1 36.24,49.02 v1(35.24,50.02) ; C135.2 v1(20.75,73.75) ; C105.1 v1(10,34.4) ; C136.1 v1(26.75,73.75)
  vias: v1(1.51,93.55) v1(1.52,88.93) v1(1.5,85.06) v1(1.51,80.87) v1(1.51,77.36) v1(1.51,72.68) v1(1.52,69.11) v1(1.92,63.77) v1(2,108) v1(2,102) v1(2,97) v1(2,59) v1(2,54) v1(2,49) v1(2,44) v1(2,39) v1(2,34) v1(3,69.9) v1(3.33,92.65) v1(3.62,89.62) v1(3.84,58.9) v1(4.43,68.56) v1(4.5,33.5) v1(4.65,97.66) v1(5.53,75.97) v1(5.81,86.8) v1(6.79,67.25) v1(7.05,95.43) v1(7.27,97.76) v1(7.51,80.91) v1(7.6,46.2) v1(7.72,89.29) v1(7.84,77.73) v1(7.8,54.14) v1(8,108) v1(8,102) v1(8,33.5) v1(8.27,86.32) v1(8.55,61.73) v1(8.68,65.18) v1(8.7,38.4) v1(8.79,75.36) v1(9.04,56.97) v1(9.52,78.56) v1(9.85,93.23) v1(10.44,59.05) v1(11.09,95.66) v1(11.51,69.85) v1(12.52,76.18) v1(12.63,80.78) v1(12.6,50.2) v1(12.82,73.99) v1(12.88,86.22) v1(13.28,56.04) v1(13.5,33.5) v1(13.9,43.8) v1(14.12,108.05) v1(14.63,68.89) v1(15.34,95.72) v1(15.26,92.97) v1(15.27,80.19) v1(15.44,53.27) v1(15.54,55.97) v1(15.58,99.27) v1(15.64,76.07) v1(16.38,72.32) v1(16.8,84.7) v1(16.92,89.75) v1(17.4,58.5) v1(17.9,38) v1(18.2,97.06) v1(19.5,33.5) v1(19.89,55.8) v1(20,108) v1(20.23,103.2) v1(20.38,48.22) v1(20.54,80.54) v1(20.6,44.7) v1(21.51,83.5) v1(22.04,93.21) v1(22,77) v1(22.13,72.56) v1(22.61,96.95) v1(22.89,106.47) v1(22.99,90.14) v1(23.4,52.74) v1(24,108) v1(24.39,49.91) v1(24.52,100.99) v1(24.88,94.23) v1(25,89.3) v1(25.25,72.59) v1(25.5,33.5) v1(25.68,80.38) v1(25.7,37.9) v1(25.75,48) v1(25.75,46.5) v1(25.75,45) v1(26.25,43.25) v1(26.27,41) v1(26.75,49.16) v1(27.25,83.53) v1(27.19,60.57) v1(27.8,78.6) v1(27.75,42.5) v1(28,108) v1(28.1,88.1) v1(28.13,55.39) v1(28.32,80.58) v1(28.45,67.99) v1(28.51,37.4) v1(28.76,100.49) v1(28.87,96.28) v1(28.99,52.87) v1(29.29,48.93) v1(29.75,43.25) v1(30.3,52.98) v1(30.44,55.67) v1(30.6,93.21) v1(30.77,38.78) v1(31.19,57.96) v1(31.31,103.89) v1(31.44,99.84) v1(31.54,97.37) v1(31.61,62.3) v1(31.86,106.79) v1(31.93,54.78) v1(32,108) v1(32.62,66.33) v1(34.09,102.76) v1(34.06,100.8) v1(34.36,94.48) v1(34.5,48) v1(34.8,41.59) v1(34.98,96.97) v1(35.3,78.9) v1(35.99,35.95) v1(36.89,72.59) v1(37,108) v1(36.96,103.41) v1(36.96,99.89) v1(37.2,84.8) v1(37.5,91.5) v1(37.6,77.8) v1(38.37,42.94) v1(39.16,38.07) v1(39.43,36.19) v1(39.65,55.08) v1(40.03,72.62) v1(40.25,48.5) v1(40.3,92.3) v1(40.26,59.12) v1(40.4,98.4) v1(40.5,84.7) v1(40.6,77.9) v1(41,108) v1(41.3,43.2) v1(41.88,36.35) v1(42.17,55.95) v1(42.5,53.07) v1(43.17,66.17) v1(44,103.8) v1(44.2,97.5) v1(44.3,91.1) v1(44.53,56.01) v1(44.78,36.03) v1(45,108) v1(45.01,52.3) v1(45.53,50.89) v1(45.85,57.08) v1(45.9,66.78) v1(46.01,54.46) v1(46.59,62.15) v1(46.68,46.62) v1(46.9,94.8) v1(47.1,100.6) v1(47.29,48.76) v1(47.47,58.82) v1(48.5,43.1) v1(48.5,33.5) v1(48.91,66.76) v1(49,108) v1(48.98,69.13) v1(49.1,38.2) v1(50.38,81.77) v1(50.69,47.2) v1(51.67,34.76) v1(52.4,73.8) v1(52.66,84.28) v1(52.79,77.07) v1(53,108) v1(53.23,79.34) v1(53.28,72.13) v1(53.33,61.92) v1(53.4,65.37) v1(53.62,57.57) v1(53.9,34.7) v1(54,33.5) v1(54.9,89.3) v1(54.9,44.9) v1(55.23,71.33) v1(55.93,65.64) v1(56.34,51.96) v1(56.4,39.8) v1(56.94,95.85) v1(56.86,84.05) v1(57,108) v1(57.19,77.11) v1(57.59,99.16) v1(57.59,80.03) v1(58.25,69.17) v1(58.54,87.88) v1(58.45,73.85) v1(59,33.5) v1(59.2,90.8) v1(59.23,38.3) v1(59.27,58.29) v1(59.75,82.12) v1(60.56,96.38) v1(61,108) v1(61.22,98.85) v1(61.43,52.12) v1(61.36,39.94) v1(61.36,36.94) v1(61.9,92.38) v1(62.08,71.45) v1(62.31,58.11) v1(62.64,40.02) v1(62.88,85.79) v1(63.1,44.3) v1(63.24,95.56) v1(63.73,69.22) v1(64,33.5) v1(64.11,57.06) v1(64.46,91.39) v1(64.51,71.42) v1(64.53,37.75) v1(65,108) v1(65.1,88.2) v1(65.17,82.19) v1(66.4,47.6) v1(66.7,57.18) v1(66.74,53.85) v1(66.9,40) v1(67.03,76.39) v1(67.15,83.66) v1(67.24,79.82) v1(67.37,69.83) v1(67.81,95.08) v1(67.76,33.48) v1(67.95,93.11) v1(68.05,67.49) v1(68.11,89) v1(68.38,50.91) v1(69,108) v1(69.46,91.29) v1(69.8,42) v1(69.9,44.2) v1(70.14,57.31) v1(70.14,33.53) v1(70.15,47.77) v1(70.36,65.94) v1(70.8,35.9) v1(71.03,79.45) v1(71.06,51.69) v1(71.35,87.85) v1(71.37,71.58) v1(71.71,76.74) v1(72.08,84.12) v1(72.1,40.1) v1(72.2,93.64) v1(72.24,90.69) v1(73,108) v1(73.66,62.03) v1(73.8,68.69) v1(73.9,50.53) v1(74,33.5) v1(74.12,55.67) v1(74.17,81.93) v1(74.25,59.06) v1(74.8,91.29) v1(74.82,88.51) v1(74.76,73.88) v1(75.27,40.05) v1(75.82,46.96) v1(75.9,51.17) v1(76,35.9) v1(76.79,79.16) v1(77,108) v1(77,53) v1(77.47,69.18) v1(77.46,66.39) v1(77.5,49.9) v1(78,33.5) v1(78.06,89.72) v1(78.1,51.83) v1(78.81,74.08) v1(79.39,81.86) v1(79.37,61.68) v1(79.58,57.98) v1(80.02,41.93) v1(80.35,68.36) v1(81,108) v1(81,36) v1(81.27,80.07) v1(81.48,83.72) v1(81.75,77.18) v1(81.8,72.75) v1(82.09,54.1) v1(82.5,47.88) v1(82.5,33.5) v1(82.91,49.74) v1(83.5,89.1) v1(83.63,70.7) v1(83.85,43.1) v1(83.89,46.12) v1(84.02,67.48) v1(84.28,96.84) v1(84.52,37.38) v1(84.79,56.14) v1(85,108) v1(85.6,49.7) v1(86.21,87.49) v1(86.17,77.23) v1(86.26,65.15) v1(86.37,84.78) v1(87.01,99.52) v1(87.08,79.91) v1(87.8,45.9) v1(87.86,37.52) v1(88.32,96.4) v1(88.28,69.12) v1(88.6,58.58) v1(88.8,90.7) v1(88.78,82.37) v1(88.77,74.11) v1(89,108) v1(89.24,93.07) v1(89.73,33.68) v1(91,33.5) v1(91.19,87.79) v1(91.65,79.05) v1(92.18,57.64) v1(92.34,98.01) v1(92.26,41.31) v1(92.26,37.5) v1(92.73,90.96) v1(93,108) v1(93.26,93.67) v1(93.33,81.86) v1(93.4,74.76) v1(94.02,48.68) v1(94.06,53.58) v1(95.12,79.84) v1(95.49,93.9) v1(95.61,45.02) v1(95.69,84.23) v1(96.01,89.56) v1(96.05,75.87) v1(95.98,41.35) v1(96.9,69.71) v1(97,108) v1(97.5,49.22) v1(98.2,35.05) v1(98.34,62.87) v1(98.52,95.99) v1(98.55,54.27) v1(98.82,86.83) v1(99.3,59.99) v1(99.35,44.37) v1(99.5,33.5) v1(99.91,51.11) v1(100.01,90.84) v1(100.33,93.65) v1(100.54,83.95) v1(100.46,69.67) v1(100.7,79.71) v1(100.7,76.17) v1(101,108) v1(101.8,60.3) v1(102.56,88.32) v1(102.65,81.82) v1(103,74) v1(103,69) v1(103,63) v1(103,58) v1(103,53) v1(103.5,51) v1(103.5,46.5) v1(103.5,41.5) v1(103.5,37.5) v1(103.5,33.5) v1(104,105) v1(104,77) v1(104.97,88.75) v1(106,108) v1(106,101) v1(106,98) v1(106,92) v1(106,88) v1(106,84) v1(106,80)
